# Altium PCB PCB2.PcbDoc (part 1 of 2)
Units mil, origin at the board's own origin, x right, y up, seen from the top; angles counter-clockwise.
Board outline 15748.03 x 10433.07 mil, 3 copper layers (Top Layer, Y1, Bottom Layer), stack 19.217 mil thick; 488 components, 481 nets, 1148 pads, 320 vias.
Unrouted connection lines stored in the file: 1.
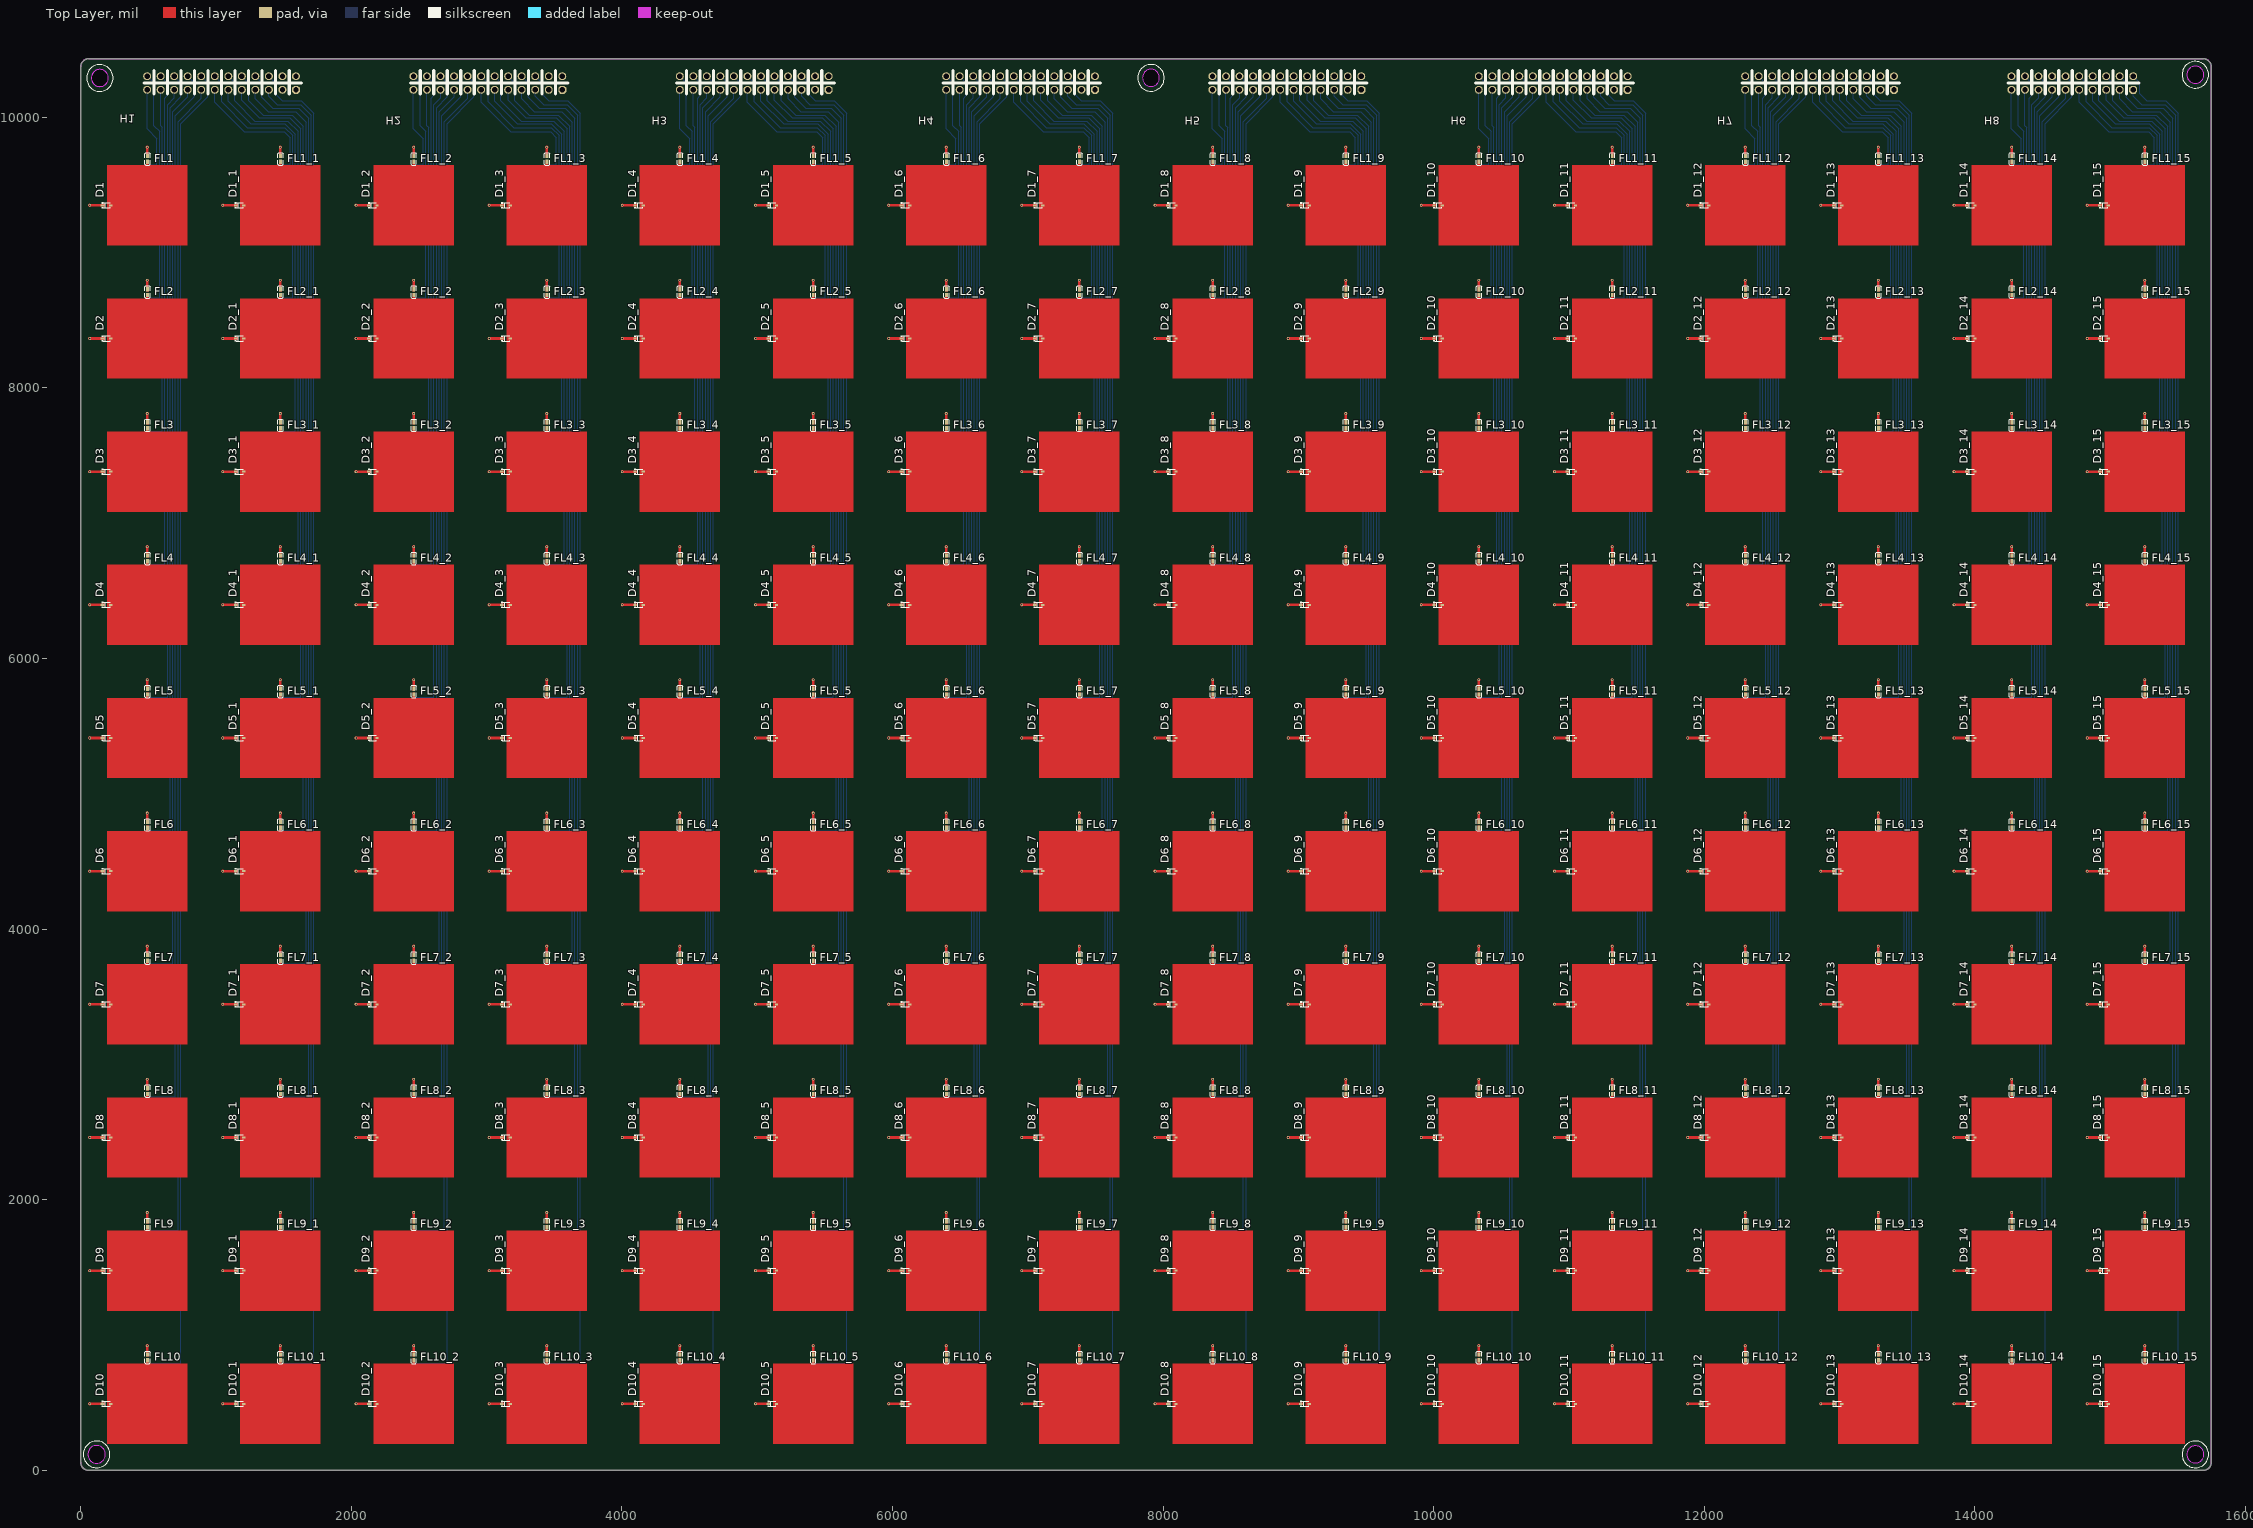
[diagram p0: Top Layer view]
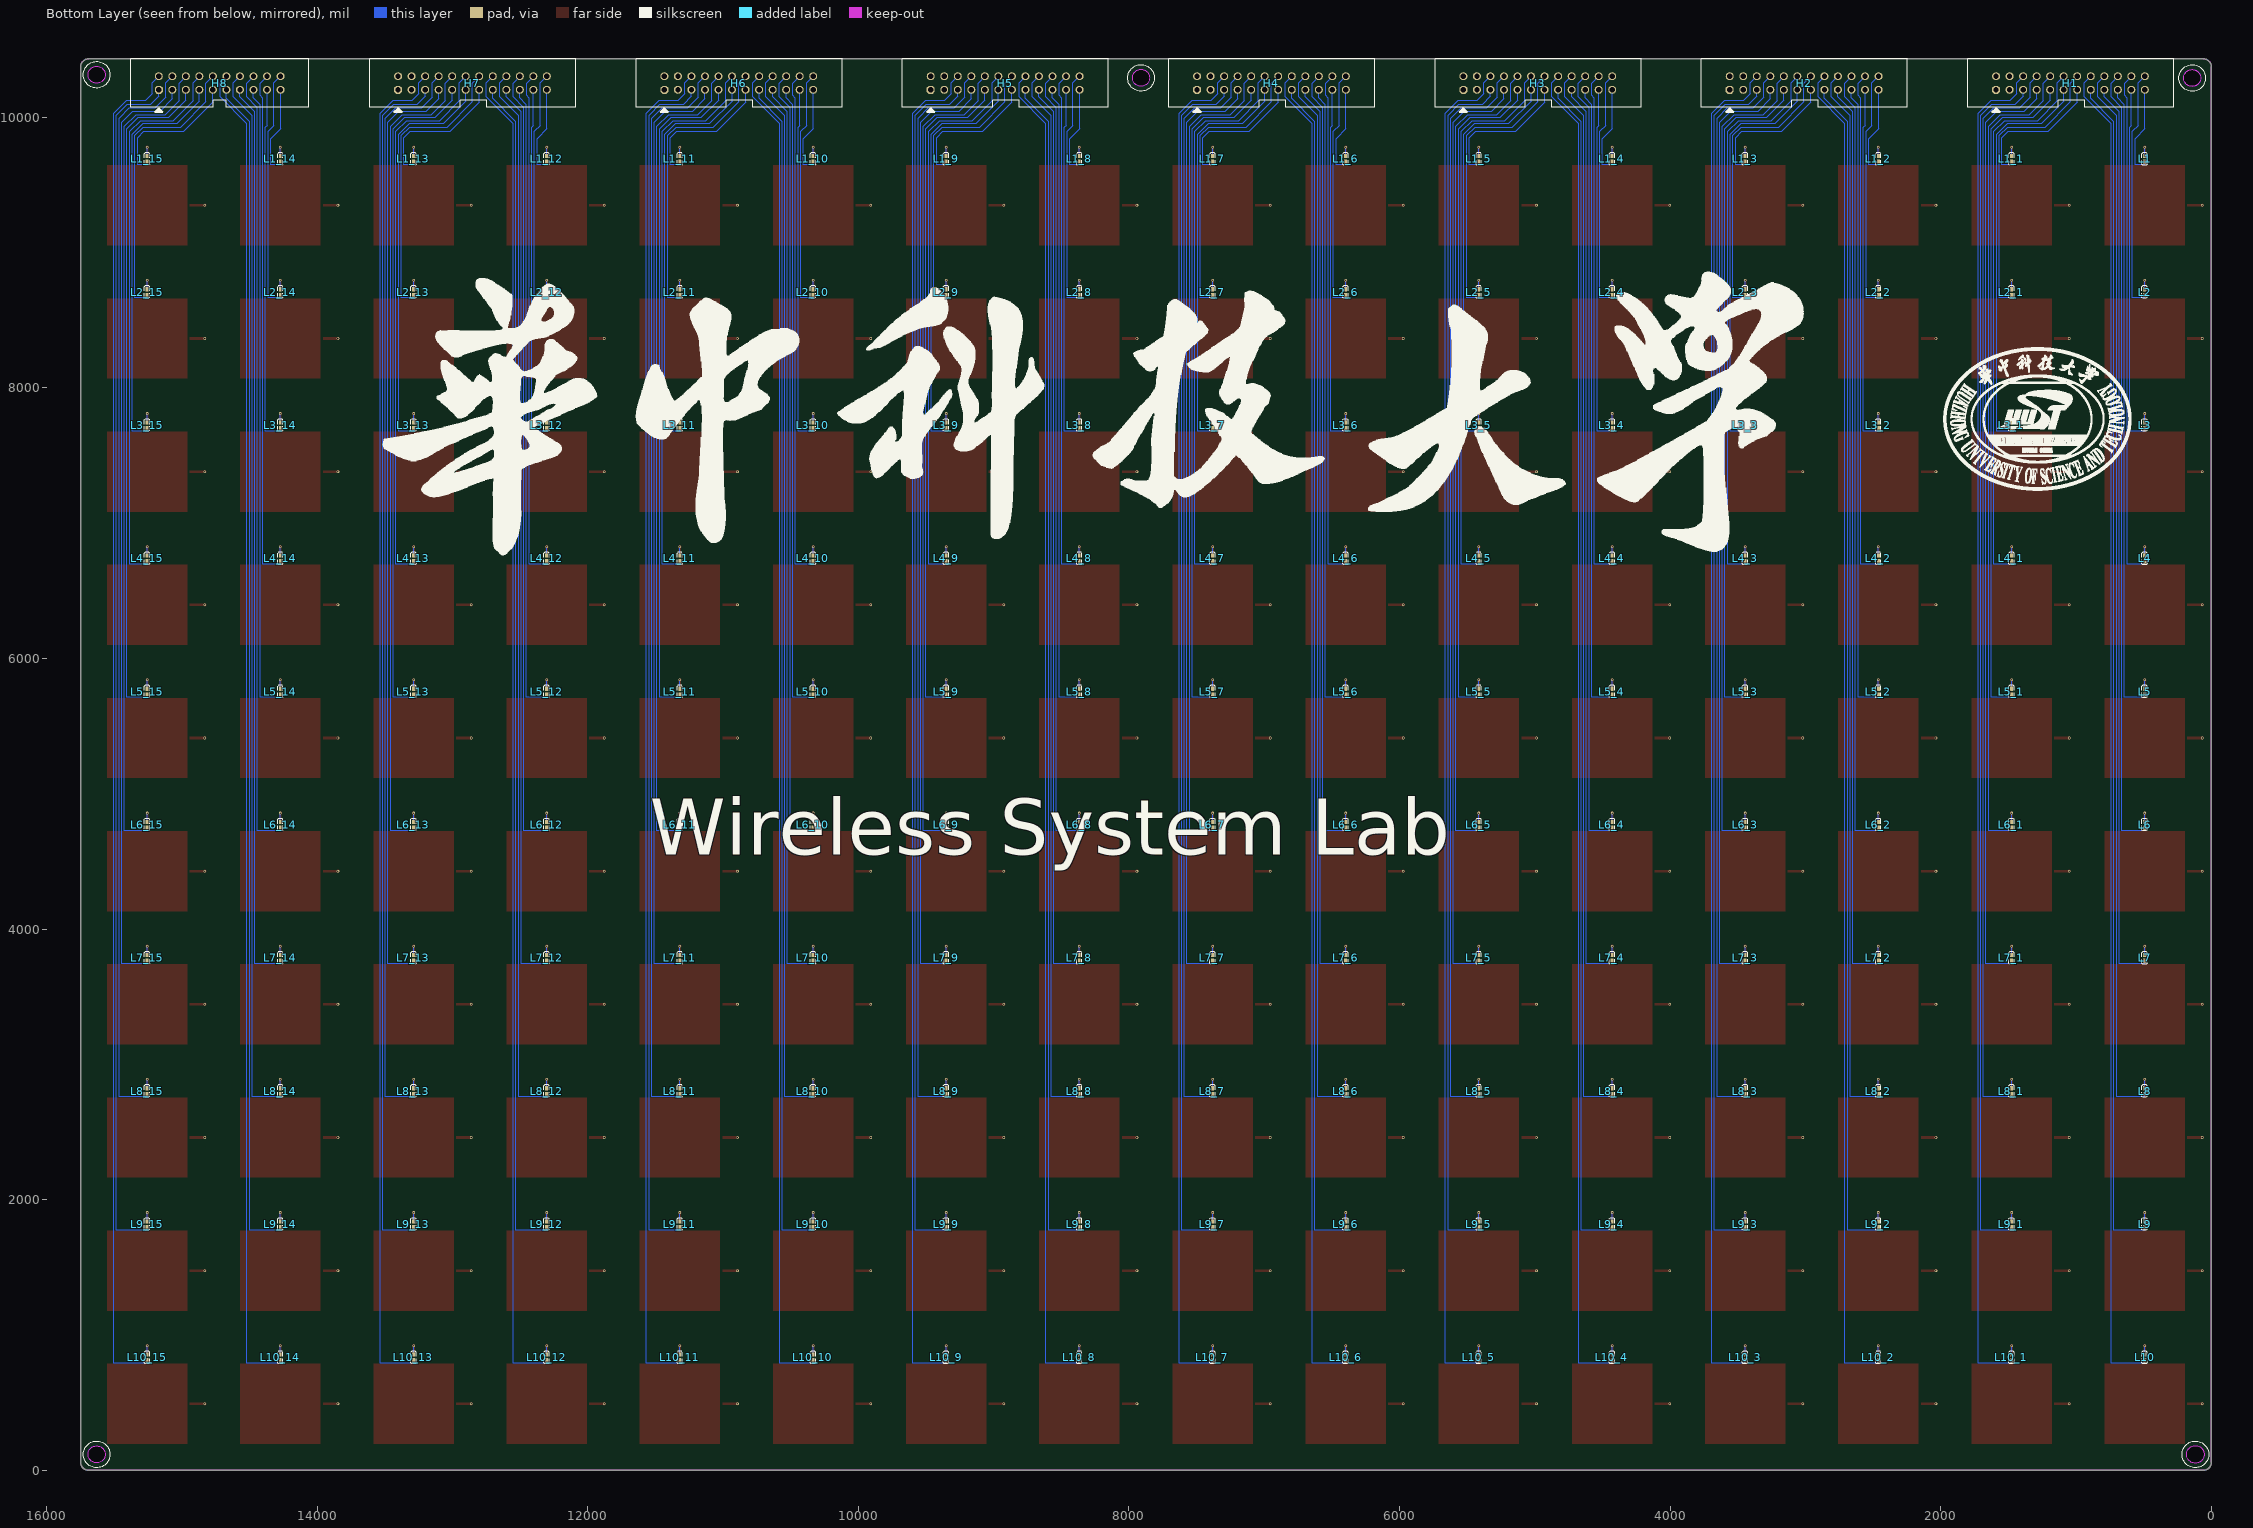
[diagram p1: Bottom Layer view, seen from below]
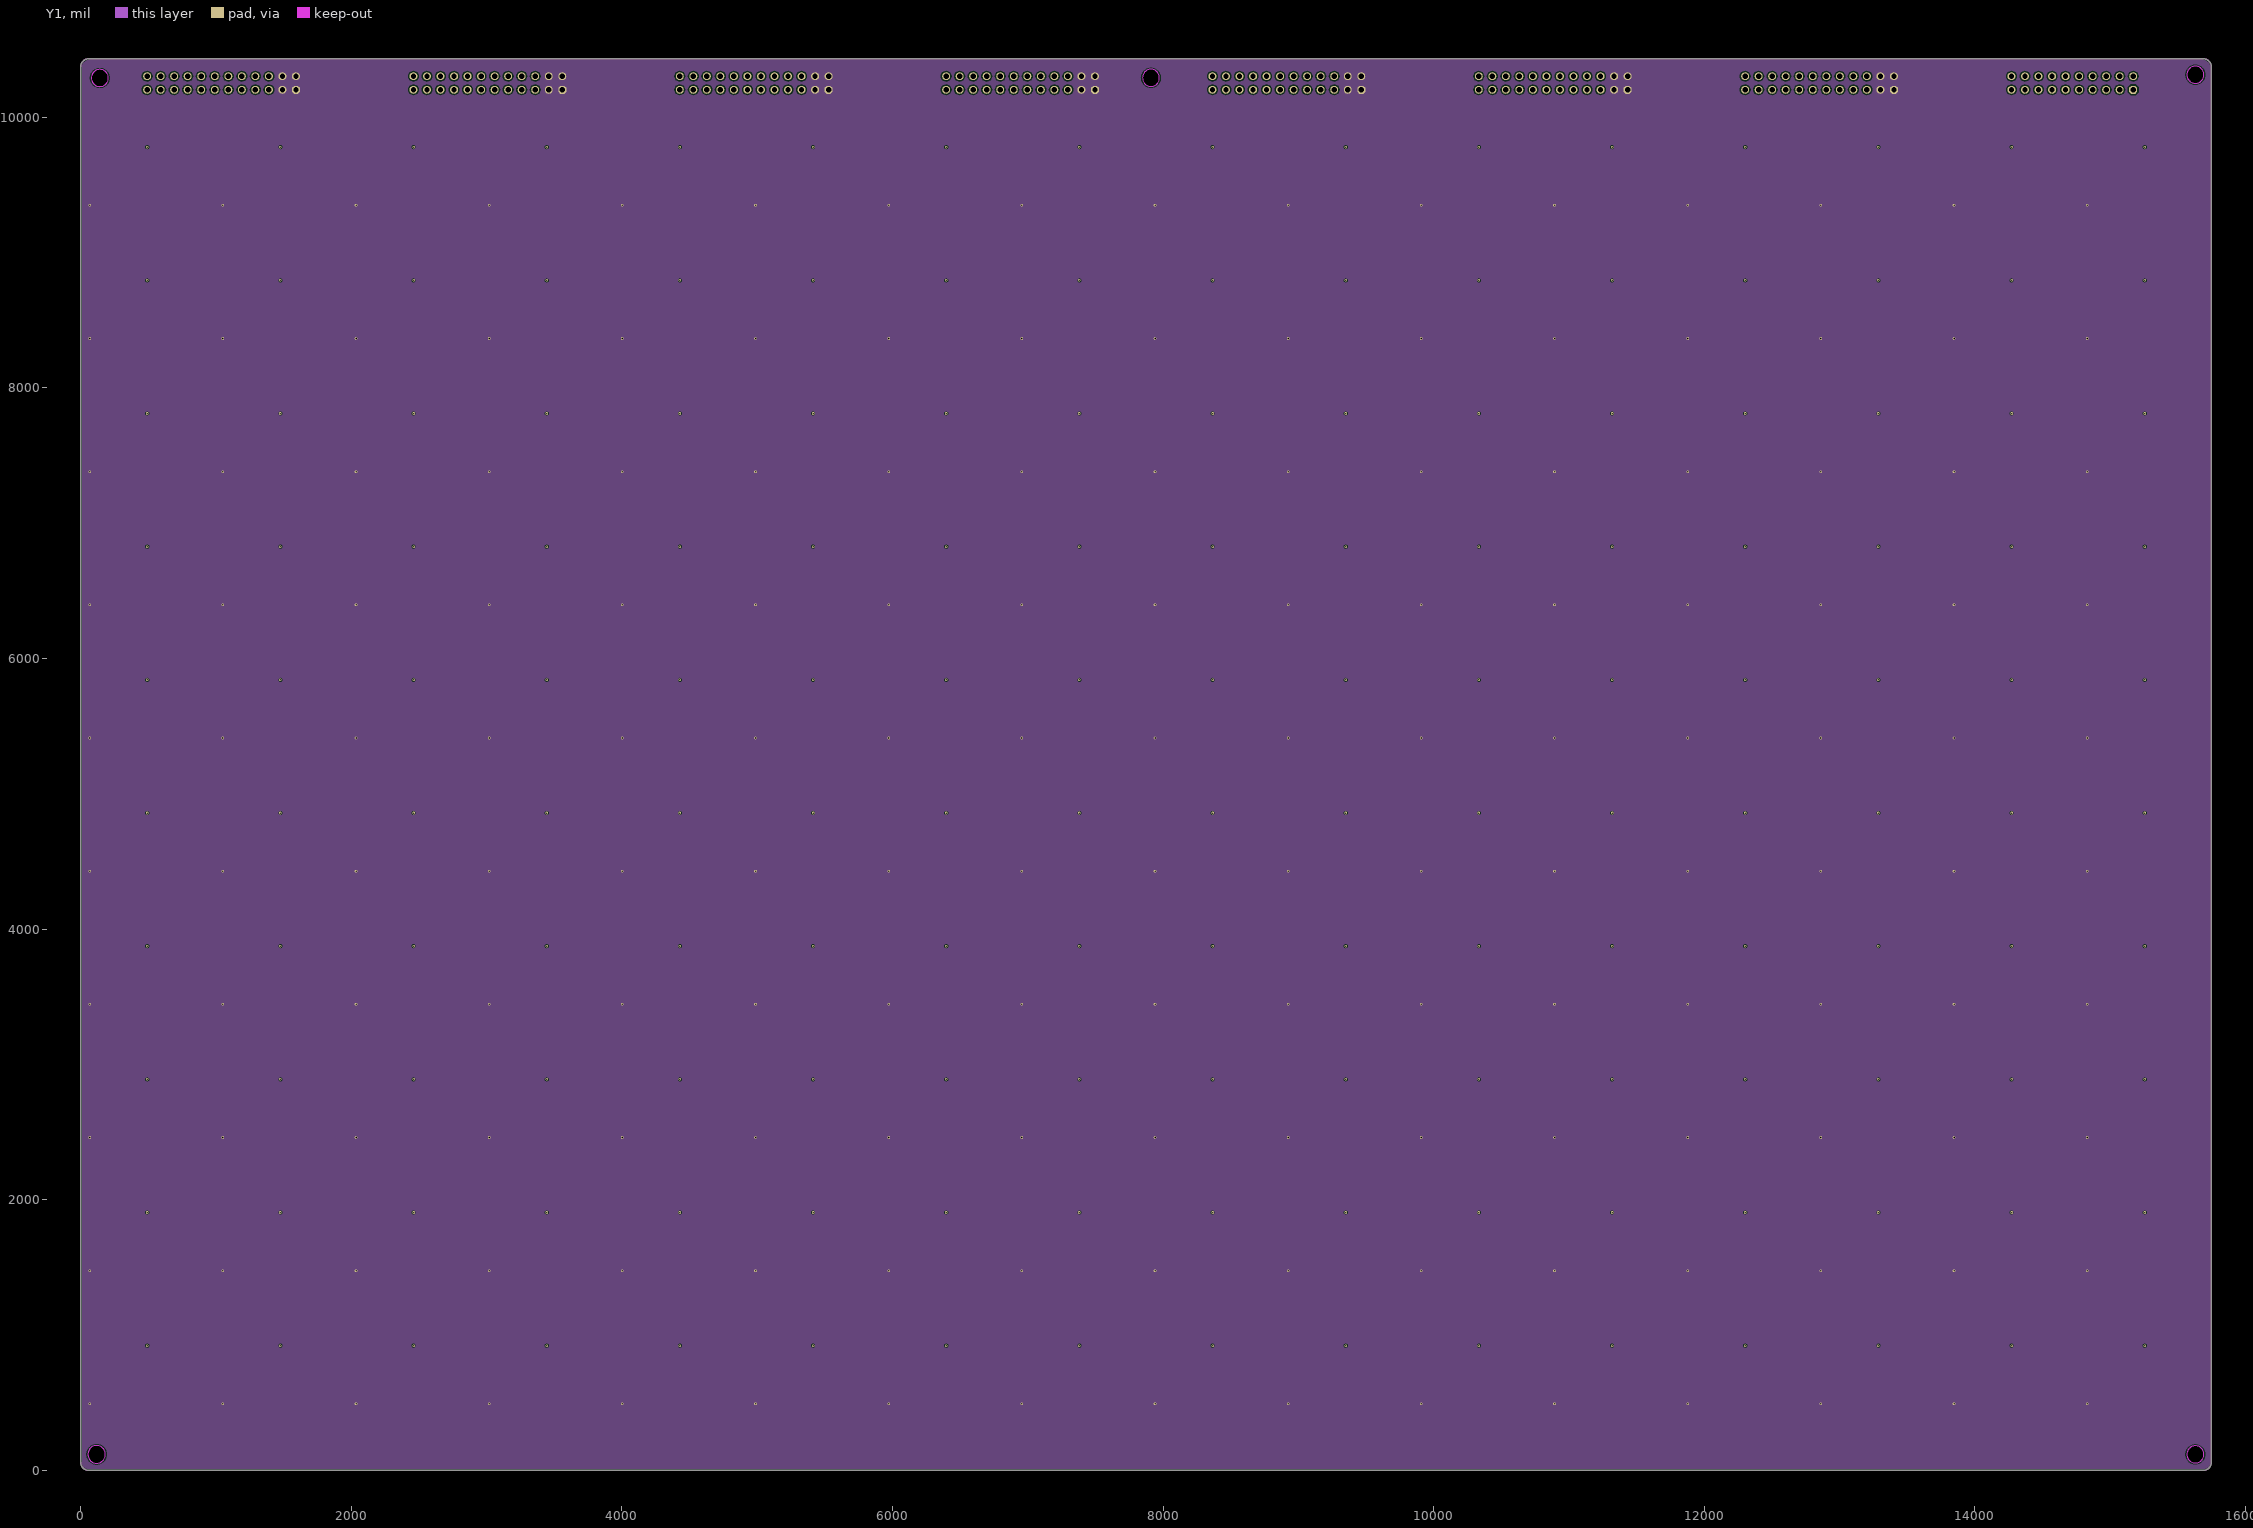
[diagram p2: Y1]

## Layer stack, top to bottom
Top Solder: solder mask 0.4, Solder Resist, Dk 3.5
Top Layer: signal copper 1.4
Dielectric 1: core 10, FR-4, Dk 4.2
Y1: signal copper 1.4173
Dielectric 2: prepreg 5, Dk 4.2
Bottom Layer: signal copper 1.4
Bottom Solder: solder mask 0.4, Solder Resist, Dk 3.5

## Board outline
-0.16,57.9 ccw(c58.9,57.9) 58.9,-1.16 15688.82,-1.16 ccw(c15688.82,57.9) 15747.87,57.9 15747.87,10372.86 ccw(c15688.82,10372.86) 15688.82,10431.91 58.9,10431.91 ccw(c58.9,10372.86) -0.16,10372.86
cut-out: 15566.58,10314.11 ccw(c15629.57,10314.11) 15629.57,10251.12 ccw(c15629.57,10314.11) 15692.57,10314.11 ccw(c15629.57,10314.11) 15629.57,10377.1 ccw(c15629.57,10314.11)
cut-out: 78.58,10290.11 ccw(c141.57,10290.11) 141.57,10227.12 ccw(c141.57,10290.11) 204.57,10290.11 ccw(c141.57,10290.11) 141.57,10353.1 ccw(c141.57,10290.11)
cut-out: 52.99,116.95 ccw(c117.95,116.95) 117.95,51.99 ccw(c117.95,116.95) 182.91,116.95 ccw(c117.95,116.95) 117.95,181.91 ccw(c117.95,116.95)
cut-out: 15566.58,117.11 ccw(c15629.57,117.11) 15629.57,54.12 ccw(c15629.57,117.11) 15692.57,117.11 ccw(c15629.57,117.11) 15629.57,180.1 ccw(c15629.57,117.11)
cut-out: 7847.58,10291.29 ccw(c7910.57,10291.29) 7910.57,10228.3 ccw(c7910.57,10291.29) 7973.57,10291.29 ccw(c7910.57,10291.29) 7910.57,10354.28 ccw(c7910.57,10291.29)

## Design rules (kind name [scope] priority, off if disabled: settings)
Clearance [All] p1: gap=10 except(3.94: Via-Poly)
PolygonConnect [All] p1: connectstyle=Direct reliefconductorwidth=10 reliefentries=4 polygonreliefangle="90 Angle" airgapwidth=10
RoutingVias [All] p1: holewidth=28 width=50 viastyle="Through Hole" minholewidth=28 minwidth=50 maxholewidth=28 maxwidth=50
SolderMaskExpansion [All] p1: expansion=4
Width [All] p1: maxlimit=10 minlimit=10 preferedwidth=10
30 further rules are at their usual default settings.

## Components (designator, comment, footprint, x,y, rotation, side; value= is the part's Value field where it differs from the comment)
D1 "Comment" SC-79_L1.2-W0.8-LS1.6-RD 190.84,9348.84 r0 top locked
D1_1 "Comment" SC-79_L1.2-W0.8-LS1.6-RD 1175.09,9348.84 r0 top locked
D1_2 "Comment" SC-79_L1.2-W0.8-LS1.6-RD 2159.35,9348.84 r0 top locked
D1_3 "Comment" SC-79_L1.2-W0.8-LS1.6-RD 3143.6,9348.84 r0 top locked
D1_4 "Comment" SC-79_L1.2-W0.8-LS1.6-RD 4127.85,9348.84 r0 top locked
D1_5 "Comment" SC-79_L1.2-W0.8-LS1.6-RD 5112.1,9348.84 r0 top locked
D1_6 "Comment" SC-79_L1.2-W0.8-LS1.6-RD 6096.35,9348.84 r0 top locked
D1_7 "Comment" SC-79_L1.2-W0.8-LS1.6-RD 7080.61,9348.84 r0 top locked
D1_8 "Comment" SC-79_L1.2-W0.8-LS1.6-RD 8064.86,9348.84 r0 top locked
D1_9 "Comment" SC-79_L1.2-W0.8-LS1.6-RD 9049.11,9348.84 r0 top locked
D1_10 "Comment" SC-79_L1.2-W0.8-LS1.6-RD 10033.36,9348.84 r0 top locked
D1_11 "Comment" SC-79_L1.2-W0.8-LS1.6-RD 11017.61,9348.84 r0 top locked
D1_12 "Comment" SC-79_L1.2-W0.8-LS1.6-RD 12001.87,9348.84 r0 top locked
D1_13 "Comment" SC-79_L1.2-W0.8-LS1.6-RD 12986.12,9348.84 r0 top locked
D1_14 "Comment" SC-79_L1.2-W0.8-LS1.6-RD 13970.37,9348.84 r0 top locked
D1_15 "Comment" SC-79_L1.2-W0.8-LS1.6-RD 14954.62,9348.84 r0 top locked
D2 "Comment" SC-79_L1.2-W0.8-LS1.6-RD 190.84,8364.59 r0 top locked
D2_1 "Comment" SC-79_L1.2-W0.8-LS1.6-RD 1175.09,8364.59 r0 top locked
D2_2 "Comment" SC-79_L1.2-W0.8-LS1.6-RD 2159.35,8364.59 r0 top locked
D2_3 "Comment" SC-79_L1.2-W0.8-LS1.6-RD 3143.6,8364.59 r0 top locked
D2_4 "Comment" SC-79_L1.2-W0.8-LS1.6-RD 4127.85,8364.59 r0 top locked
D2_5 "Comment" SC-79_L1.2-W0.8-LS1.6-RD 5112.1,8364.59 r0 top locked
D2_6 "Comment" SC-79_L1.2-W0.8-LS1.6-RD 6096.35,8364.59 r0 top locked
D2_7 "Comment" SC-79_L1.2-W0.8-LS1.6-RD 7080.61,8364.59 r0 top locked
D2_8 "Comment" SC-79_L1.2-W0.8-LS1.6-RD 8064.86,8364.59 r0 top locked
D2_9 "Comment" SC-79_L1.2-W0.8-LS1.6-RD 9049.11,8364.59 r0 top locked
D2_10 "Comment" SC-79_L1.2-W0.8-LS1.6-RD 10033.36,8364.59 r0 top locked
D2_11 "Comment" SC-79_L1.2-W0.8-LS1.6-RD 11017.61,8364.59 r0 top locked
D2_12 "Comment" SC-79_L1.2-W0.8-LS1.6-RD 12001.87,8364.59 r0 top locked
D2_13 "Comment" SC-79_L1.2-W0.8-LS1.6-RD 12986.12,8364.59 r0 top locked
D2_14 "Comment" SC-79_L1.2-W0.8-LS1.6-RD 13970.37,8364.59 r0 top locked
D2_15 "Comment" SC-79_L1.2-W0.8-LS1.6-RD 14954.62,8364.59 r0 top locked
D3 "Comment" SC-79_L1.2-W0.8-LS1.6-RD 190.84,7380.34 r0 top locked
D3_1 "Comment" SC-79_L1.2-W0.8-LS1.6-RD 1175.09,7380.34 r0 top locked
D3_2 "Comment" SC-79_L1.2-W0.8-LS1.6-RD 2159.35,7380.34 r0 top locked
D3_3 "Comment" SC-79_L1.2-W0.8-LS1.6-RD 3143.6,7380.34 r0 top locked
D3_4 "Comment" SC-79_L1.2-W0.8-LS1.6-RD 4127.85,7380.34 r0 top locked
D3_5 "Comment" SC-79_L1.2-W0.8-LS1.6-RD 5112.1,7380.34 r0 top locked
D3_6 "Comment" SC-79_L1.2-W0.8-LS1.6-RD 6096.35,7380.34 r0 top locked
D3_7 "Comment" SC-79_L1.2-W0.8-LS1.6-RD 7080.61,7380.34 r0 top locked
D3_8 "Comment" SC-79_L1.2-W0.8-LS1.6-RD 8064.86,7380.34 r0 top locked
D3_9 "Comment" SC-79_L1.2-W0.8-LS1.6-RD 9049.11,7380.34 r0 top locked
D3_10 "Comment" SC-79_L1.2-W0.8-LS1.6-RD 10033.36,7380.34 r0 top locked
D3_11 "Comment" SC-79_L1.2-W0.8-LS1.6-RD 11017.61,7380.34 r0 top locked
D3_12 "Comment" SC-79_L1.2-W0.8-LS1.6-RD 12001.87,7380.34 r0 top locked
D3_13 "Comment" SC-79_L1.2-W0.8-LS1.6-RD 12986.12,7380.34 r0 top locked
D3_14 "Comment" SC-79_L1.2-W0.8-LS1.6-RD 13970.37,7380.34 r0 top locked
D3_15 "Comment" SC-79_L1.2-W0.8-LS1.6-RD 14954.62,7380.34 r0 top locked
D4 "Comment" SC-79_L1.2-W0.8-LS1.6-RD 190.84,6396.09 r0 top locked
D4_1 "Comment" SC-79_L1.2-W0.8-LS1.6-RD 1175.09,6396.09 r0 top locked
D4_2 "Comment" SC-79_L1.2-W0.8-LS1.6-RD 2159.35,6396.09 r0 top locked
D4_3 "Comment" SC-79_L1.2-W0.8-LS1.6-RD 3143.6,6396.09 r0 top locked
D4_4 "Comment" SC-79_L1.2-W0.8-LS1.6-RD 4127.85,6396.09 r0 top locked
D4_5 "Comment" SC-79_L1.2-W0.8-LS1.6-RD 5112.1,6396.09 r0 top locked
D4_6 "Comment" SC-79_L1.2-W0.8-LS1.6-RD 6096.35,6396.09 r0 top locked
D4_7 "Comment" SC-79_L1.2-W0.8-LS1.6-RD 7080.61,6396.09 r0 top locked
D4_8 "Comment" SC-79_L1.2-W0.8-LS1.6-RD 8064.86,6396.09 r0 top locked
D4_9 "Comment" SC-79_L1.2-W0.8-LS1.6-RD 9049.11,6396.09 r0 top locked
D4_10 "Comment" SC-79_L1.2-W0.8-LS1.6-RD 10033.36,6396.09 r0 top locked
D4_11 "Comment" SC-79_L1.2-W0.8-LS1.6-RD 11017.61,6396.09 r0 top locked
D4_12 "Comment" SC-79_L1.2-W0.8-LS1.6-RD 12001.87,6396.09 r0 top locked
D4_13 "Comment" SC-79_L1.2-W0.8-LS1.6-RD 12986.12,6396.09 r0 top locked
D4_14 "Comment" SC-79_L1.2-W0.8-LS1.6-RD 13970.37,6396.09 r0 top locked
D4_15 "Comment" SC-79_L1.2-W0.8-LS1.6-RD 14954.62,6396.09 r0 top locked
D5 "Comment" SC-79_L1.2-W0.8-LS1.6-RD 190.84,5411.83 r0 top locked
D5_1 "Comment" SC-79_L1.2-W0.8-LS1.6-RD 1175.09,5411.83 r0 top locked
D5_2 "Comment" SC-79_L1.2-W0.8-LS1.6-RD 2159.35,5411.83 r0 top locked
D5_3 "Comment" SC-79_L1.2-W0.8-LS1.6-RD 3143.6,5411.83 r0 top locked
D5_4 "Comment" SC-79_L1.2-W0.8-LS1.6-RD 4127.85,5411.83 r0 top locked
D5_5 "Comment" SC-79_L1.2-W0.8-LS1.6-RD 5112.1,5411.83 r0 top locked
D5_6 "Comment" SC-79_L1.2-W0.8-LS1.6-RD 6096.35,5411.83 r0 top locked
D5_7 "Comment" SC-79_L1.2-W0.8-LS1.6-RD 7080.61,5411.83 r0 top locked
D5_8 "Comment" SC-79_L1.2-W0.8-LS1.6-RD 8064.86,5411.83 r0 top locked
D5_9 "Comment" SC-79_L1.2-W0.8-LS1.6-RD 9049.11,5411.83 r0 top locked
D5_10 "Comment" SC-79_L1.2-W0.8-LS1.6-RD 10033.36,5411.83 r0 top locked
D5_11 "Comment" SC-79_L1.2-W0.8-LS1.6-RD 11017.61,5411.83 r0 top locked
D5_12 "Comment" SC-79_L1.2-W0.8-LS1.6-RD 12001.87,5411.83 r0 top locked
D5_13 "Comment" SC-79_L1.2-W0.8-LS1.6-RD 12986.12,5411.83 r0 top locked
D5_14 "Comment" SC-79_L1.2-W0.8-LS1.6-RD 13970.37,5411.83 r0 top locked
D5_15 "Comment" SC-79_L1.2-W0.8-LS1.6-RD 14954.62,5411.83 r0 top locked
D6 "Comment" SC-79_L1.2-W0.8-LS1.6-RD 190.84,4427.58 r0 top locked
D6_1 "Comment" SC-79_L1.2-W0.8-LS1.6-RD 1175.09,4427.58 r0 top locked
D6_2 "Comment" SC-79_L1.2-W0.8-LS1.6-RD 2159.35,4427.58 r0 top locked
D6_3 "Comment" SC-79_L1.2-W0.8-LS1.6-RD 3143.6,4427.58 r0 top locked
D6_4 "Comment" SC-79_L1.2-W0.8-LS1.6-RD 4127.85,4427.58 r0 top locked
D6_5 "Comment" SC-79_L1.2-W0.8-LS1.6-RD 5112.1,4427.58 r0 top locked
D6_6 "Comment" SC-79_L1.2-W0.8-LS1.6-RD 6096.35,4427.58 r0 top locked
D6_7 "Comment" SC-79_L1.2-W0.8-LS1.6-RD 7080.61,4427.58 r0 top locked
D6_8 "Comment" SC-79_L1.2-W0.8-LS1.6-RD 8064.86,4427.58 r0 top locked
D6_9 "Comment" SC-79_L1.2-W0.8-LS1.6-RD 9049.11,4427.58 r0 top locked
D6_10 "Comment" SC-79_L1.2-W0.8-LS1.6-RD 10033.36,4427.58 r0 top locked
D6_11 "Comment" SC-79_L1.2-W0.8-LS1.6-RD 11017.61,4427.58 r0 top locked
D6_12 "Comment" SC-79_L1.2-W0.8-LS1.6-RD 12001.87,4427.58 r0 top locked
D6_13 "Comment" SC-79_L1.2-W0.8-LS1.6-RD 12986.12,4427.58 r0 top locked
D6_14 "Comment" SC-79_L1.2-W0.8-LS1.6-RD 13970.37,4427.58 r0 top locked
D6_15 "Comment" SC-79_L1.2-W0.8-LS1.6-RD 14954.62,4427.58 r0 top locked
D7 "Comment" SC-79_L1.2-W0.8-LS1.6-RD 190.84,3443.33 r0 top locked
D7_1 "Comment" SC-79_L1.2-W0.8-LS1.6-RD 1175.09,3443.33 r0 top locked
D7_2 "Comment" SC-79_L1.2-W0.8-LS1.6-RD 2159.35,3443.33 r0 top locked
D7_3 "Comment" SC-79_L1.2-W0.8-LS1.6-RD 3143.6,3443.33 r0 top locked
D7_4 "Comment" SC-79_L1.2-W0.8-LS1.6-RD 4127.85,3443.33 r0 top locked
D7_5 "Comment" SC-79_L1.2-W0.8-LS1.6-RD 5112.1,3443.33 r0 top locked
D7_6 "Comment" SC-79_L1.2-W0.8-LS1.6-RD 6096.35,3443.33 r0 top locked
D7_7 "Comment" SC-79_L1.2-W0.8-LS1.6-RD 7080.61,3443.33 r0 top locked
D7_8 "Comment" SC-79_L1.2-W0.8-LS1.6-RD 8064.86,3443.33 r0 top locked
D7_9 "Comment" SC-79_L1.2-W0.8-LS1.6-RD 9049.11,3443.33 r0 top locked
D7_10 "Comment" SC-79_L1.2-W0.8-LS1.6-RD 10033.36,3443.33 r0 top locked
D7_11 "Comment" SC-79_L1.2-W0.8-LS1.6-RD 11017.61,3443.33 r0 top locked
D7_12 "Comment" SC-79_L1.2-W0.8-LS1.6-RD 12001.87,3443.33 r0 top locked
D7_13 "Comment" SC-79_L1.2-W0.8-LS1.6-RD 12986.12,3443.33 r0 top locked
D7_14 "Comment" SC-79_L1.2-W0.8-LS1.6-RD 13970.37,3443.33 r0 top locked
D7_15 "Comment" SC-79_L1.2-W0.8-LS1.6-RD 14954.62,3443.33 r0 top locked
D8 "Comment" SC-79_L1.2-W0.8-LS1.6-RD 190.84,2459.08 r0 top locked
D8_1 "Comment" SC-79_L1.2-W0.8-LS1.6-RD 1175.09,2459.08 r0 top locked
D8_2 "Comment" SC-79_L1.2-W0.8-LS1.6-RD 2159.35,2459.08 r0 top locked
D8_3 "Comment" SC-79_L1.2-W0.8-LS1.6-RD 3143.6,2459.08 r0 top locked
D8_4 "Comment" SC-79_L1.2-W0.8-LS1.6-RD 4127.85,2459.08 r0 top locked
D8_5 "Comment" SC-79_L1.2-W0.8-LS1.6-RD 5112.1,2459.08 r0 top locked
D8_6 "Comment" SC-79_L1.2-W0.8-LS1.6-RD 6096.35,2459.08 r0 top locked
D8_7 "Comment" SC-79_L1.2-W0.8-LS1.6-RD 7080.61,2459.08 r0 top locked
D8_8 "Comment" SC-79_L1.2-W0.8-LS1.6-RD 8064.86,2459.08 r0 top locked
D8_9 "Comment" SC-79_L1.2-W0.8-LS1.6-RD 9049.11,2459.08 r0 top locked
D8_10 "Comment" SC-79_L1.2-W0.8-LS1.6-RD 10033.36,2459.08 r0 top locked
D8_11 "Comment" SC-79_L1.2-W0.8-LS1.6-RD 11017.61,2459.08 r0 top locked
D8_12 "Comment" SC-79_L1.2-W0.8-LS1.6-RD 12001.87,2459.08 r0 top locked
D8_13 "Comment" SC-79_L1.2-W0.8-LS1.6-RD 12986.12,2459.08 r0 top locked
D8_14 "Comment" SC-79_L1.2-W0.8-LS1.6-RD 13970.37,2459.08 r0 top locked
D8_15 "Comment" SC-79_L1.2-W0.8-LS1.6-RD 14954.62,2459.08 r0 top locked
D9 "Comment" SC-79_L1.2-W0.8-LS1.6-RD 190.84,1474.83 r0 top locked
D9_1 "Comment" SC-79_L1.2-W0.8-LS1.6-RD 1175.09,1474.83 r0 top locked
D9_2 "Comment" SC-79_L1.2-W0.8-LS1.6-RD 2159.35,1474.83 r0 top locked
D9_3 "Comment" SC-79_L1.2-W0.8-LS1.6-RD 3143.6,1474.83 r0 top locked
D9_4 "Comment" SC-79_L1.2-W0.8-LS1.6-RD 4127.85,1474.83 r0 top locked
D9_5 "Comment" SC-79_L1.2-W0.8-LS1.6-RD 5112.1,1474.83 r0 top locked
D9_6 "Comment" SC-79_L1.2-W0.8-LS1.6-RD 6096.35,1474.83 r0 top locked
D9_7 "Comment" SC-79_L1.2-W0.8-LS1.6-RD 7080.61,1474.83 r0 top locked
D9_8 "Comment" SC-79_L1.2-W0.8-LS1.6-RD 8064.86,1474.83 r0 top locked
D9_9 "Comment" SC-79_L1.2-W0.8-LS1.6-RD 9049.11,1474.83 r0 top locked
D9_10 "Comment" SC-79_L1.2-W0.8-LS1.6-RD 10033.36,1474.83 r0 top locked
D9_11 "Comment" SC-79_L1.2-W0.8-LS1.6-RD 11017.61,1474.83 r0 top locked
D9_12 "Comment" SC-79_L1.2-W0.8-LS1.6-RD 12001.87,1474.83 r0 top locked
D9_13 "Comment" SC-79_L1.2-W0.8-LS1.6-RD 12986.12,1474.83 r0 top locked
D9_14 "Comment" SC-79_L1.2-W0.8-LS1.6-RD 13970.37,1474.83 r0 top locked
D9_15 "Comment" SC-79_L1.2-W0.8-LS1.6-RD 14954.62,1474.83 r0 top locked
D10 "Comment" SC-79_L1.2-W0.8-LS1.6-RD 190.84,490.57 r0 top locked
D10_1 "Comment" SC-79_L1.2-W0.8-LS1.6-RD 1175.09,490.57 r0 top locked
D10_2 "Comment" SC-79_L1.2-W0.8-LS1.6-RD 2159.35,490.57 r0 top locked
D10_3 "Comment" SC-79_L1.2-W0.8-LS1.6-RD 3143.6,490.57 r0 top locked
D10_4 "Comment" SC-79_L1.2-W0.8-LS1.6-RD 4127.85,490.57 r0 top locked
D10_5 "Comment" SC-79_L1.2-W0.8-LS1.6-RD 5112.1,490.57 r0 top locked
D10_6 "Comment" SC-79_L1.2-W0.8-LS1.6-RD 6096.35,490.57 r0 top locked
D10_7 "Comment" SC-79_L1.2-W0.8-LS1.6-RD 7080.61,490.57 r0 top locked